# Altium PCB Board.PcbDoc (part 6 of 8) (continued)
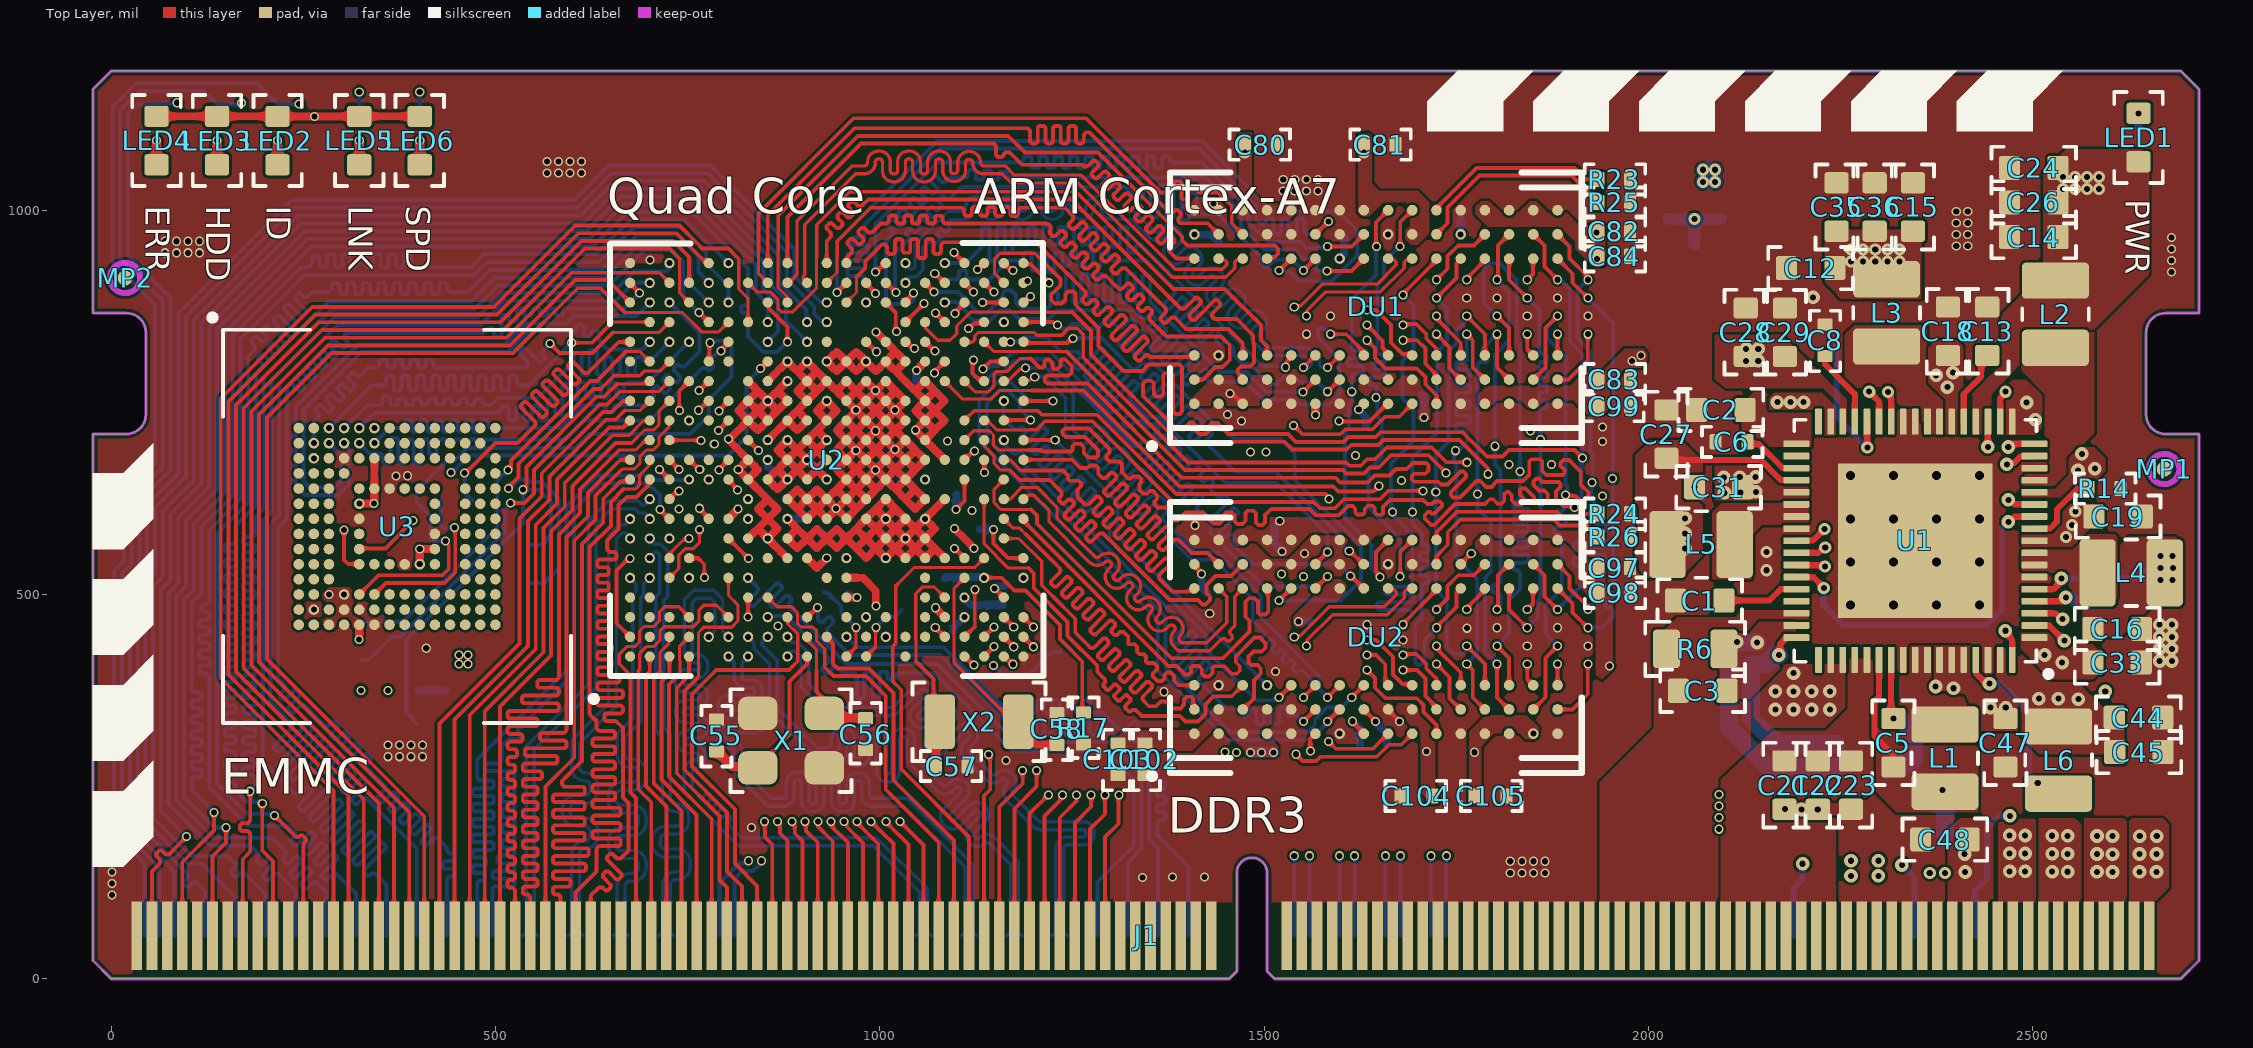
[diagram p0: Top Layer view]
## Nets (pads, with @x,y where several pads share a name; then routed paths per layer and width w, separated by ;. In a path a pad name is that pad's centre, name@x,y a point inside that pad or via, vN(x,y) a via of type N, cw(c..) or ccw(c..) an arc to the next point about the centre after c; other vN are vias at no path point) (continued)
SDQ27: DU2.D7 U2.Y10 | length 594.3
  Top Layer w4: U2.Y10@1161.42,649.61 1148.82,637.01 1148.82,619.37 1157.57,610.62 1196.68,610.62 1196.84,610.45
  Top Layer w5: 1196.84,610.45 1204.72,602.57 1204.72,591.98 1379.63,417.08 1446.73,417.08 1481.3,451.64 1481.3,465.7 1476,471 1476,490.47 1480.61,495.08 1487.79,495.08 1492,490.86 1492,476.5 1494.53,473.97 1502.09,473.97 1505.42,477.3 1505.42,506.39 DU2.D7@1503.94,507.87
SDQ28: DU2.C3 U2.W9 | length 598.9
  Top Layer w4: U2.W9@1135.83,624.02 1135.83,565.82 1167.44,534.21 1193.41,534.21
  Top Layer w5: 1193.41,534.21 1200.41,527.21 1200.41,508.25 1244.41,464.25 1244.41,446.17 1283,407.58 1283,399.72 1284.77,397.95 1291.84,390.88 cw(c1288.3,387.34) 1291.84,383.81 1291.61,383.58 ccw(c1293.38,381.81) 1291.61,380.04 1295.14,376.51 ccw(c1296.91,378.28) 1298.68,376.51 1304.61,382.44 cw(c1306.38,380.67) 1308.14,382.44 1311.68,378.9 cw(c1309.91,377.13) 1311.68,375.37 1305.75,369.44 ccw(c1307.52,367.67) 1305.75,365.9 1309.29,362.37 ccw(c1311.05,364.13) 1312.82,362.37 1318.75,368.3 cw(c1320.52,366.53) 1322.29,368.3 1325.82,364.76 cw(c1324.05,362.99) 1325.82,361.22 1319.89,355.3 ccw(c1321.66,353.53) 1319.89,351.76 1323.43,348.22 ccw(c1325.2,349.99) 1326.96,348.22 1327.19,348.45 cw(c1330.73,344.92) 1334.27,348.45 1339.11,343.61 1340.81,341.91 1340.95,341.91 1390.38,341.91 1397.64,334.65 1414.05,334.65 1423.84,344.43 1423.84,356.91 1434.43,367.5 1458.05,367.5 DU2.C3@1472.44,381.89 DU2.C3@1472.44,380.92
SDQ29: DU2.C2 U2.AA8 | length 596.3
  Top Layer w5: U2.AA8@1187.01,598.42 1187.78,599.2 1187.78,594.78 1375.49,407.08 1385.99,407.08 1397.07,396 1402.07,396 1405,398.93 1405,404.26 1407.82,407.08 1415.32,407.08 1419,403.39 1419,396.93 1422.49,393.43 1428.62,393.43 1432.78,397.59 1432.78,404.56 1434.73,406.52 1448.36,406.52 1457.99,396.89 1464.54,396.89 1468.38,400.73 1468.38,406.62 1463.23,411.77 1463.23,419.44 1487.8,444 1494.67,444 1502.16,436.52 1502.16,430.71 1497.02,425.57 1486.15,425.57 1479.94,419.36 1479.94,411.66 1483.6,408 1491.45,408 1495.82,403.63 1495.82,396.98 1486.83,388 1486.83,364.78 DU2.C2@1472.44,350.39
SDQ30: DU2.A3 U2.Y8 | length 606.2
  Top Layer w4: U2.Y8@1162.19,597.65 1173.61,586.23 1182.19,586.23 1189.71,578.71
  Top Layer w4.99: 1189.71,578.71 1224.76,543.66
  Top Layer w5: U2.Y8@1161.42,598.42 U2.Y8@1162.19,597.65 ; 1224.76,543.66 1226.53,541.89 1233.6,534.82 cw(c1230.07,531.29) 1233.6,527.75 1223.87,518.02 ccw(c1226.35,515.55) 1223.87,513.07 1225.99,510.95 ccw(c1228.47,513.43) 1230.94,510.95 1241.73,521.74 cw(c1244.21,519.27) 1246.68,521.74 1248.81,519.62 cw(c1246.33,517.14) 1248.81,514.67 1238.02,503.88 ccw(c1240.49,501.41) 1238.02,498.93 1240.14,496.81 ccw(c1242.61,499.28) 1245.09,496.81 1255.88,507.6 cw(c1258.35,505.12) 1260.83,507.6 1262.95,505.48 cw(c1260.47,503) 1262.95,500.53 1252.16,489.74 ccw(c1254.63,487.26) 1252.16,484.79 1254.28,482.67 ccw(c1256.75,485.14) 1259.23,482.67 1270.02,493.46 cw(c1272.49,490.98) 1274.97,493.46 1277.09,491.34 cw(c1274.61,488.86) 1277.09,486.39 1265.9,475.2 ccw(c1268.37,472.72) 1265.9,470.25 1268.02,468.12 ccw(c1270.5,470.6) 1272.97,468.12 1284.16,479.31 cw(c1286.64,476.84) 1289.11,479.31 1291.23,477.19 cw(c1288.76,474.72) 1291.23,472.24 1274.9,455.91 ccw(c1277.37,453.44) 1274.9,450.96 1277.02,448.84 ccw(c1279.5,451.31) 1281.97,448.84 1298.3,465.17 cw(c1300.78,462.7) 1303.25,465.17 1305.37,463.05 cw(c1302.9,460.58) 1305.37,458.1 1302.36,455.08 ccw(c1304.83,452.61) 1302.36,450.13 1304.48,448.01 ccw(c1306.95,450.49) 1309.43,448.01 1311.38,449.97 cw(c1314.92,446.43) 1318.46,449.97 1323.29,445.14 1323.29,435.87 1323.89,435.27 1331.53,435.27 1334.89,431.91 1334.89,425.62 1338.21,422.29 1343.18,422.29 1346.26,419.21 1346.26,412.9 1348.36,410.8 1356.83,410.8 1360.55,407.08 1360.55,402.33 1355.25,397.02 1355.25,393.38 1361.3,387.33 1367.06,387.33 1370.53,390.81 1370.53,395.11 1374,398.58 1378.16,398.58 1382.8,393.94 1382.8,387.65 1388.56,381.89 DU2.A3@1409.45,381.89
SDQ31: DU2.A2 U2.Y7 | length 604.9
  Top Layer w4: U2.Y7@1161.42,572.83 1181.08,572.83 1210.79,543.12
  Top Layer w5: 1210.79,543.12 1210.79,512.02 1237.68,485.12 1239.45,483.36 1254.41,468.39 1254.41,450.32 1272.83,431.89 ccw(c1276.37,435.43) 1279.91,431.89 1289.94,441.93 cw(c1292.42,439.45) 1294.89,441.93 1297.01,439.81 cw(c1294.54,437.33) 1297.01,434.86 1284.86,422.7 ccw(c1287.33,420.22) 1284.86,417.75 1286.98,415.63 ccw(c1289.45,418.1) 1291.93,415.63 1304.09,427.79 cw(c1306.56,425.31) 1309.04,427.79 1311.16,425.66 cw(c1308.68,423.19) 1311.16,420.71 1299,408.56 ccw(c1301.47,406.08) 1299,403.61 1301.12,401.48 ccw(c1303.59,403.96) 1306.07,401.48 1318.23,413.64 cw(c1320.7,411.17) 1323.18,413.64 1325.3,411.52 cw(c1322.82,409.05) 1325.3,406.57 1313.14,394.41 ccw(c1315.61,391.94) 1313.14,389.46 1315.26,387.34 ccw(c1317.74,389.82) 1320.21,387.34 1332.37,399.5 cw(c1334.85,397.03) 1337.32,399.5 1339.44,397.38 cw(c1336.97,394.91) 1339.44,392.43 1327.28,380.27 ccw(c1329.76,377.8) 1327.28,375.32 1329.4,373.2 ccw(c1331.88,375.67) 1334.35,373.2 1346.41,385.25 cw(c1348.88,382.78) 1351.35,385.25 1353.48,383.13 cw(c1351,380.66) 1353.48,378.18 1343.55,368.25 ccw(c1347.08,364.71) 1343.55,361.18 1350.11,354.61 1359.45,354.61 1359.55,354.61 1365.63,360.69 1372.16,360.69 1381.03,351.82 1391.21,351.82 1396,356.61 1396,363.43 1399.57,367 1404.84,367 1407.77,364.07 1407.77,352.07 DU2.A2@1409.45,350.39
SDQM0: DU1.E7 U2.M20 | length 1040.2
  Top Layer w5: v1@944.53,893.35 U2.M20@956.69,905.51 U2.M20@957.47,906.29 ; v1(1519.69,921.26) DU1.E7@1535.43,937.01
  Bottom Layer w5: v1(944.53,892.87) 944.53,959.53 1075,1090 1419.14,1090 1510.72,998.42 1596.58,998.42 1621.24,973.76 1621.24,940.86 1587.78,907.4 1546.08,907.4 1533.09,920.39 1520.55,920.39 v1(1519.69,921.26)
SDQM1: DU1.D3 U2.G20 | length 917.2
  Top Layer w4: U2.G20@828.74,905.51 840.93,893.32 858.18,893.32 867.44,884.05 867.44,872.56 872.27,867.73 886.98,867.73 918,898.74 918,939.86
  Top Layer w5: 918,939.86 918,980.99 961.04,1024.03 1255.5,1024.03 1381.89,897.64 1448.82,897.64 1496.06,850.39 1496.06,830.71 1503.94,822.83 DU1.D3@1503.94,811.02
SDQM2: DU2.E7 U2.AA18 | length 886.4
  Top Layer w5: U2.AA18@1187.4,854.72 1187.78,854.33 1225.52,854.33 1229.3,850.55 v1(1231.15,850.55) ; v1(1519.69,492.13) DU2.E7@1535.43,507.87
  Bottom Layer w5: v1(1231.15,850.55) 1232.99,850.55 1238.12,845.42 1243.55,845.42 1250.06,851.93 1259.92,851.93 1265.7,846.15 1283.47,846.15 1293.63,856.3 1301.18,856.3 1307.09,850.39 1308.85,848.63 ccw(c1312.39,852.16) 1315.93,848.63 1324.5,857.2 cw(c1326.97,854.72) 1329.45,857.2 1331.57,855.08 cw(c1329.09,852.6) 1331.57,850.13 1311.29,829.85 ccw(c1313.77,827.37) 1311.29,824.9 1313.41,822.78 ccw(c1315.89,825.25) 1318.36,822.78 1337.11,841.53 cw(c1339.59,839.05) 1342.06,841.53 1344.18,839.41 cw(c1341.71,836.93) 1344.18,834.46 1330.07,820.34 ccw(c1332.54,817.87) 1330.07,815.39 1332.19,813.27 ccw(c1334.66,815.74) 1337.14,813.27 cw(c1340.67,809.73) 1344.21,813.27 1362.12,795.36 1363.89,793.59 1443.42,714.06 1448.87,714.06 1455.46,707.47 1460.76,702.17 1521.24,702.17 1540,683.4 1540,649 1625.98,563.02 1625.98,518.49 1599.61,492.13 v1(1519.69,492.13)
SDQM3: DU2.D3 U2.AA12 | length 474.4
  Top Layer w5: U2.AA12@1187.01,700.79 v1(1228.35,700.79)
  Bottom Layer w5: v1(1228.35,700.79) 1309.21,619.92 1309.21,576.61 v1(1503.94,381.89)
SDQS0_N: DU1.G3 U2.R21 | length 1030.5
  Top Layer w4.29: v1@1581.94,794.53 DU1.G3@1598.43,811.02
  Bottom Layer w4.29: v1(1033.46,931.1) 1033.46,929.7 1039.71,923.45 1043.27,923.45 1045.8,925.99 1045.8,955.8 1088.2,998.2 1099.81,998.2 1107.09,998.2 ccw(c1107.09,1002.84) 1111.74,1002.84 1111.74,1003.42 cw(c1126.66,1003.42) 1141.58,1003.42 1141.58,1002.84 ccw(c1146.22,1002.84) 1150.87,1002.84 1150.87,1003.42 cw(c1165.79,1003.42) 1180.71,1003.42 1180.71,1002.84 ccw(c1185.35,1002.84) 1190,1002.84 1190,1003.42 cw(c1204.92,1003.42) 1219.84,1003.42 1219.84,1002.84 ccw(c1224.48,1002.84) 1229.13,1002.84 1229.13,1003.42 cw(c1244.05,1003.42) 1258.97,1003.42 1258.97,1002.84 ccw(c1263.62,1002.84) 1268.26,1002.84 1268.26,1003.12 cw(c1283.18,1003.12) 1298.1,1003.12 1298.1,1002.84 ccw(c1302.75,1002.84) 1302.75,998.2 1331.29,998.2 1334.66,994.83 1351.95,977.54 1355.6,973.9 1357.1,972.39 ccw(c1360.13,975.43) 1363.17,972.39 1367.63,976.85 cw(c1377.2,967.29) 1384.97,978.36 1385.26,978.36 1390.24,973.38 1390.24,973.09 cw(c1379.17,965.32) 1388.73,955.75 ; 1388.71,955.73 1380.51,947.53 ccw(c1382.81,945.23) 1380.51,942.93 1382.48,940.96 ccw(c1384.78,943.26) 1387.06,940.95 1394.13,948.02 cw(c1403.7,938.45) 1411.47,949.52 1411.76,949.52 1416.74,944.54 1416.74,944.26 cw(c1405.67,936.48) 1415.23,926.92 ; 1415.21,926.89 1408.18,919.86 ccw(c1410.48,917.56) 1408.18,915.26 1410.15,913.29 ccw(c1412.45,915.59) 1414.73,913.28 1422.97,921.51 cw(c1432.53,911.95) 1440.31,923.02 1440.59,923.02 1445.58,918.04 1445.58,917.75 cw(c1434.51,909.98) 1444.07,900.41 ; 1444.05,900.39 1435.85,892.19 ccw(c1438.15,889.89) 1435.85,887.59 1437.82,885.62 ccw(c1440.12,887.92) 1442.4,885.61 1450.64,893.84 cw(c1460.2,884.28) 1467.98,895.35 1468.26,895.35 1473.24,890.37 1473.24,890.08 cw(c1462.18,882.31) 1471.74,872.74 ; 1471.72,872.72 1463.52,864.52 ccw(c1465.82,862.22) 1463.52,859.92 1465.49,857.95 ccw(c1467.79,860.25) 1470.07,857.94 1478.31,866.18 cw(c1487.87,856.61) 1495.65,867.68 1495.93,867.68 1500.91,862.7 1500.91,862.41 cw(c1489.85,854.64) 1499.41,845.07 ; 1499.39,845.05 1494.95,840.61 ccw(c1497.98,837.58) 1494.95,834.54 1506.64,822.86 1508.4,821.09 1512.16,821.09 1557.35,821.09 1572.07,806.38 1572.07,798.57 1574.58,796.05 1581.9,796.05 v1(1582.68,795.28)
SDQS0_P: DU1.F3 U2.R20 | length 1033.8
  Top Layer w4.29: v1(1551.18,795.28) DU1.F3@1566.93,811.02
  Bottom Layer w4.29: v1(1033.46,905.51) 1033.46,906.91 1039.71,913.16 1047.53,913.16 1056.09,921.73 1056.09,951.06 1064.16,959.16 cw(c1067.2,956.13) 1070.23,959.16 1071.25,958.15 ccw(c1072.89,959.79) 1074.53,958.15 1077.82,961.43 ccw(c1076.17,963.08) 1077.82,964.72 1075.19,967.35 cw(c1076.83,968.99) 1075.19,970.63 1078.47,973.92 cw(c1080.11,972.28) 1081.75,973.92 1084.1,971.57 ccw(c1085.75,973.21) 1087.39,971.57 1090.67,974.85 ccw(c1089.03,976.49) 1090.67,978.14 1089.94,978.87 cw(c1092.97,981.91) 1089.94,984.94 1092.92,987.92 1098.39,987.92 1099.81,987.92 1107.09,987.92 ccw(c1107.09,1002.84) 1122.01,1002.84 1122.01,1003.42 cw(c1126.66,1003.42) 1131.3,1003.42 1131.3,1002.84 ccw(c1146.22,1002.84) 1161.14,1002.84 1161.14,1003.42 cw(c1165.79,1003.42) 1170.43,1003.42 1170.43,1002.84 ccw(c1185.35,1002.84) 1200.27,1002.84 1200.27,1003.42 cw(c1204.92,1003.42) 1209.56,1003.42 1209.56,1002.84 ccw(c1224.48,1002.84) 1239.4,1002.84 1239.41,1003.42 cw(c1244.05,1003.42) 1248.7,1003.42 1248.7,1002.84 ccw(c1263.62,1002.84) 1278.54,1002.84 1278.54,1003.12 cw(c1283.18,1003.12) 1287.83,1003.12 1287.83,1002.84 ccw(c1302.75,1002.84) 1302.75,987.92 1327.04,987.92 1334.66,980.3 1344.68,970.28 1348.33,966.63 1349.81,965.15 ccw(c1360.13,975.43) 1370.43,965.13 1374.9,969.59 cw(c1377.2,967.29) 1379.51,969.58 ; 1379.52,969.56 1381.43,967.65 cw(c1379.17,965.32) 1381.48,963.03 1373.24,954.8 ccw(c1382.81,945.23) 1373.24,935.67 1375.21,933.7 ccw(c1384.78,943.26) 1394.34,933.7 ; 1394.37,933.72 1401.4,940.75 cw(c1403.7,938.45) 1406.01,940.74 ; 1406.03,940.72 1407.94,938.81 ; 1407.96,938.79 cw(c1405.67,936.48) 1407.98,934.2 1400.91,927.13 ccw(c1410.48,917.56) 1400.91,908 1402.88,906.03 ccw(c1412.45,915.59) 1422.01,906.03 ; 1422.04,906.05 1430.24,914.25 cw(c1432.53,911.95) 1434.85,914.24 1436.77,912.31 cw(c1434.51,909.98) 1436.82,907.69 1428.58,899.46 ccw(c1438.15,889.89) 1428.58,880.33 1430.55,878.36 ccw(c1440.12,887.92) 1449.68,878.36 ; 1449.71,878.38 1457.91,886.58 cw(c1460.2,884.28) 1462.52,886.57 ; 1462.53,886.55 1464.44,884.64 cw(c1462.18,882.31) 1464.49,880.02 1456.25,871.79 ccw(c1465.82,862.22) 1456.25,852.66 1458.22,850.69 ccw(c1467.79,860.25) 1477.35,850.69 ; 1477.38,850.71 1485.58,858.91 cw(c1487.87,856.61) 1490.19,858.9 1492.11,856.97 ; 1492.13,856.95 cw(c1489.85,854.64) 1492.16,852.35 1487.68,847.88 ccw(c1497.98,837.58) 1487.71,827.25 1499.37,815.59 1503.02,811.95 1504.15,810.81 1553.1,810.81 1561.79,802.12 1561.79,798.57 1559.28,796.05 1551.96,796.05 v1(1551.18,795.28)
SDQS1_N: DU1.B7 U2.J20 | length 901.7
  Top Layer w4.29: U2.J20@879.92,905.51 881.94,905.51 892.26,915.83 892.26,985.53 964.25,1057.52 972.44,1057.52 979.72,1057.52 ccw(c979.72,1061.81) 984.01,1061.81 984.01,1062.51 cw(c998.47,1062.51) 998.47,1076.97 999.4,1076.97 cw(c999.4,1062.51) 1013.86,1062.51 1013.86,1051.18 ccw(c1018.04,1051.18) 1018.04,1046.99 1018.96,1046.99 ccw(c1018.96,1051.18) 1023.15,1051.18 1023.15,1062.51 cw(c1037.6,1062.51) 1037.6,1076.97 1038.53,1076.97 cw(c1038.53,1062.51) 1052.99,1062.51 1052.99,1051.18 ccw(c1057.17,1051.18) 1057.17,1046.99 1058.1,1046.99 ccw(c1058.1,1051.18) 1062.28,1051.18 1062.28,1062.51 cw(c1076.73,1062.51) 1076.73,1076.97 1077.66,1076.97 cw(c1077.66,1062.51) 1092.12,1062.51 1092.12,1051.77 ccw(c1096.3,1051.77) 1096.3,1047.59 1097.23,1047.59 ccw(c1097.23,1051.77) 1101.41,1051.77 1101.41,1061.81 cw(c1115.86,1061.81) 1115.86,1076.27 1116.79,1076.27 cw(c1116.79,1061.81) 1131.25,1061.81 ccw(c1135.54,1061.81) 1135.54,1057.52 1153.62,1057.52 1163.29,1057.52 1175.1,1045.71 1261.99,1045.71 1384.73,922.97 1445.76,922.97 1451.56,928.77 1451.56,932.33 1448.69,935.19 1442.76,935.19 DU1.B7@1440.95,937.01
SDQS1_P: DU1.C7 U2.K20 | length 898.3
  Top Layer w4.29: U2.K20@905.51,905.51 900.55,910.47 900.55,914.01 902.55,916 902.55,981.27 968.52,1047.24 972.44,1047.24 979.72,1047.24 ccw(c979.72,1061.81) 994.29,1061.81 994.29,1062.51 cw(c998.47,1062.51) 998.47,1066.69 999.4,1066.69 cw(c999.4,1062.51) 1003.58,1062.51 1003.58,1051.18 ccw(c1018.04,1051.18) 1018.04,1036.72 1018.96,1036.72 ccw(c1018.96,1051.18) 1033.42,1051.18 1033.42,1062.51 cw(c1037.6,1062.51) 1037.6,1066.69 1038.53,1066.69 cw(c1038.53,1062.51) 1042.71,1062.51 1042.71,1051.18 ccw(c1057.17,1051.18) 1057.17,1036.72 1058.1,1036.72 ccw(c1058.1,1051.18) 1072.55,1051.18 1072.55,1062.51 cw(c1076.73,1062.51) 1076.73,1066.69 1077.66,1066.69 cw(c1077.66,1062.51) 1081.84,1062.51 1081.84,1051.77 ccw(c1096.3,1051.77) 1096.3,1037.32 1097.23,1037.32 ccw(c1097.23,1051.77) 1111.68,1051.77 1111.68,1061.81 cw(c1115.86,1061.81) 1115.86,1065.99 1116.79,1065.99 cw(c1116.79,1061.81) 1120.97,1061.81 ccw(c1135.54,1061.81) 1135.54,1047.24 1153.62,1047.24 1159.03,1047.24 1170.84,1035.43 1257.74,1035.43 1380.47,912.7 1450.01,912.7 1461.83,924.52 1461.83,932.33 1464.7,935.19 1470.63,935.19 DU1.C7@1472.44,937.01
SDQS2_N: DU2.G3 U2.Y15 | length 883.8
  Top Layer w4.29: U2.Y15@1161.42,777.56 1163.16,779.3 1168.3,779.3 1182.12,793.12 1188.16,793.12 v1(1189.6,794.56) ; v1(1582.68,366.14) DU2.G3@1598.43,381.89
  Bottom Layer w4.29: v1(1189.6,794.56) 1217.54,794.56 1251.97,760.13 1251.97,713.82 1253.86,711.94 1257.5,708.29 1259.01,706.79 ccw(c1262.04,709.82) 1265.07,706.79 1273.45,715.16 cw(c1282.36,706.25) 1289.45,716.67 1289.76,716.67 1296.05,710.37 1296.05,710.06 cw(c1285.64,702.97) 1294.55,694.06 ; 1294.53,694.04 1280.54,680.05 ccw(c1282.18,678.41) 1280.54,676.77 1283.82,673.48 ccw(c1285.46,675.13) 1287.1,673.47 1301.12,687.49 cw(c1310.03,678.59) 1317.12,689 1317.43,689 1323.72,682.7 1323.72,682.39 cw(c1313.31,675.3) 1322.22,666.39 1308.21,652.38 ccw(c1309.85,650.74) 1308.21,649.1 1311.49,645.81 ccw(c1313.13,647.46) 1314.77,645.8 1328.79,659.82 cw(c1337.7,650.92) 1344.79,661.33 1345.1,661.33 1351.39,655.03 1351.39,654.72 cw(c1340.98,647.63) 1349.89,638.72 ; 1349.86,638.7 1332.9,621.74 ccw(c1334.54,620.09) 1332.9,618.45 1336.19,615.17 ccw(c1337.83,616.81) 1339.46,615.16 1349.3,625 cw(c1358.21,616.09) 1365.3,626.5 1365.61,626.5 1371.9,620.21 1371.9,619.89 cw(c1361.49,612.8) 1370.4,603.89 1369.18,602.68 ccw(c1372.22,599.64) 1369.18,596.61 1387.33,578.47 1390.97,574.82 1410.79,555.01 1439.26,555.29 1495.75,498.8 1495.75,470.07 1497.65,468.16 1572.07,393.73 1572.07,376.75 v1(1582.68,366.14)
SDQS2_P: DU2.F3 U2.AA15 | length 891.8
  Top Layer w4.29: U2.AA15@1187.01,777.56 1187.92,778.47 1195.38,778.47 1199.67,782.76 v1(1201.7,782.76) ; v1(1551.18,366.14) DU2.F3@1566.93,381.89
  Bottom Layer w4.29: v1(1201.7,782.76) 1202.68,783.73 1213.84,783.73 1241.69,755.88 1241.69,709.57 1246.59,704.67 1250.23,701.03 1251.71,699.55 ccw(c1262.04,709.82) 1272.34,699.52 1280.71,707.9 cw(c1282.36,706.25) 1284.01,707.89 ; 1284.03,707.87 1287.25,704.64 cw(c1285.64,702.97) 1287.29,701.34 1273.27,687.32 ccw(c1282.18,678.41) 1273.27,669.5 1276.56,666.22 ccw(c1285.46,675.13) 1294.37,666.22 ; 1294.4,666.24 1308.38,680.23 cw(c1310.03,678.59) 1311.68,680.22 ; 1311.7,680.2 1314.92,676.97 ; 1314.94,676.95 cw(c1313.31,675.3) 1314.96,673.67 1300.94,659.65 ccw(c1309.85,650.74) 1300.94,641.83 1304.23,638.55 ccw(c1313.13,647.46) 1322.04,638.55 ; 1322.07,638.57 1336.05,652.56 cw(c1337.7,650.92) 1339.35,652.55 1342.59,649.3 cw(c1340.98,647.63) 1342.63,646 1325.64,629 ccw(c1334.54,620.09) 1325.64,611.19 1328.92,607.9 ccw(c1337.83,616.81) 1346.74,607.9 ; 1346.76,607.93 1356.56,617.73 cw(c1358.21,616.09) 1359.86,617.72 ; 1359.88,617.7 1363.1,614.48 ; 1363.12,614.46 cw(c1361.49,612.8) 1363.13,611.16 1361.92,609.94 ccw(c1372.22,599.64) 1361.92,589.34 1380.06,571.2 1383.71,567.56 1406.26,545 1435,545 1485.46,494.54 1485.46,465.8 1487.36,463.9 1489.84,461.4 ; 1489.85,461.41 1491.16,460.1 1499.24,452.02 cw(c1496.21,448.98) 1499.24,445.95 1497.19,443.9 ccw(c1498.84,442.26) 1497.19,440.62 1500.48,437.33 ccw(c1502.12,438.97) 1503.76,437.33 1507.19,440.76 cw(c1508.84,439.12) 1510.48,440.76 1513.76,437.48 cw(c1512.12,435.84) 1513.76,434.19 1510.33,430.76 ccw(c1511.97,429.12) 1510.33,427.48 1513.62,424.19 ccw(c1515.26,425.84) 1516.9,424.19 1520.33,427.62 cw(c1521.97,425.98) 1523.62,427.62 1526.9,424.34 cw(c1525.26,422.7) 1526.9,421.06 1523.47,417.62 ccw(c1525.11,415.98) 1523.47,414.34 1526.75,411.05 ccw(c1528.4,412.7) 1530.04,411.05 1533.47,414.49 cw(c1535.11,412.84) 1536.75,414.49 1540.04,411.2 cw(c1538.4,409.56) 1540.04,407.92 1537.41,405.29 ccw(c1539.06,403.65) 1537.41,402.01 1540.7,398.72 ccw(c1542.34,400.37) 1543.98,398.72 1545.23,399.97 cw(c1548.26,396.93) 1551.29,399.97 1555.92,395.34 1561.79,389.47 1561.79,376.75 v1(1551.18,366.14)
SDQS3_N: DU2.B7 U2.Y9 | length 550.1
  Top Layer w4.29: U2.Y9@1161.42,624.02 1169.55,624.02 1184.81,639.27 1204.87,639.27 1230.65,613.5 1230.65,598.87 1274.99,554.52 1280.15,549.37 ccw(c1283.18,552.4) 1286.22,549.37 1286.45,549.6 cw(c1296.64,539.33) 1306.88,549.56 1307.53,548.9 cw(c1297.3,538.67) 1309.04,530.21 1309.04,529.95 1304.96,525.86 ccw(c1307.91,522.9) 1304.95,519.95 1305.62,519.28 ccw(c1308.57,522.25) 1311.52,519.29 ; 1311.55,519.32 1314.15,521.91 cw(c1324.34,511.64) 1334.57,521.87 1335.23,521.21 cw(c1324.99,510.98) 1336.73,502.52 1336.73,502.25 1332.65,498.17 ccw(c1335.6,495.21) 1332.64,492.26 1333.31,491.59 ccw(c1336.26,494.55) 1339.22,491.6 ; 1339.24,491.62 1339.79,492.17 cw(c1349.98,481.89) 1360.21,492.13 1360.87,491.47 cw(c1350.64,481.24) 1360.87,471 1360.34,470.48 ccw(c1363.3,467.52) 1360.33,464.57 1361,463.9 ccw(c1363.95,466.86) 1366.91,463.91 ; 1366.93,463.93 1369.33,466.33 cw(c1379.53,456.06) 1389.76,466.29 1390.42,465.63 cw(c1380.18,455.4) 1390.42,445.17 ccw(c1393.45,442.13) 1390.41,439.1 1392.5,437.02 1403.72,437.02 ; 1403.72,437.02 1421.31,437.02 1425.2,437.02 1451.56,463.38 1451.56,497.26 DU2.B7@1440.95,507.87
SDQS3_P: DU2.C7 U2.AA9 | length 549.8
  Top Layer w4.29: U2.AA9@1187.01,624.02 1187.01,624.1 1191.9,629 1200.62,629 1220.36,609.26 1220.36,594.6 1267.72,547.24 1272.87,542.09 ccw(c1283.18,552.4) 1293.49,542.09 1293.69,542.28 cw(c1296.64,539.33) 1299.6,542.28 1300.26,541.63 cw(c1297.3,538.67) 1300.26,535.72 ; 1300.23,535.69 1297.68,533.14 ccw(c1307.91,522.9) 1297.7,512.65 1298.3,512.04 ccw(c1308.57,522.25) 1317.03,510.51 1317.29,510.51 1321.38,514.59 cw(c1324.34,511.64) 1327.29,514.59 1327.95,513.94 cw(c1324.99,510.98) 1327.95,508.02 ; 1327.92,508 1325.37,505.44 ccw(c1335.6,495.21) 1325.39,484.95 1326,484.35 ccw(c1336.26,494.55) 1344.72,482.81 1344.99,482.81 1347.02,484.85 cw(c1349.98,481.89) 1352.93,484.85 1353.59,484.19 cw(c1350.64,481.24) 1353.59,478.28 1353.06,477.75 ccw(c1363.3,467.52) 1353.09,457.26 ; 1353.09,457.25 1353.69,456.66 ; 1353.7,456.65 ccw(c1363.95,466.86) 1372.41,455.12 1372.68,455.12 1376.57,459.01 cw(c1379.53,456.06) 1382.48,459.01 1383.14,458.36 cw(c1380.18,455.4) 1383.14,452.44 ccw(c1393.45,442.13) 1383.17,431.79 1388.24,426.73 1403.72,426.73 ; 1403.72,426.72 1411.02,426.72 1429.43,426.72 1436.07,433.36 1444.16,441.45 cw(c1447.19,438.41) 1450.22,441.45 1451.54,440.13 ccw(c1453.84,442.43) 1456.14,440.13 1458.11,442.1 ccw(c1455.81,444.4) 1458.11,446.7 1456.79,448.02 cw(c1459.83,451.05) 1456.79,454.08 1461.83,459.12 1461.83,497.26 DU2.C7@1472.44,507.87
SIM_DATA: J1.85 U2.F13 | length 1204.3
  Top Layer w5: v1(790.37,713.31) 790.37,713.45 803.15,726.23 U2.F13@803.15,726.38 ; v1@850.29,205.33 850.55,205.07 850.55,184.14 860.24,174.46 J1.85@860.24,55.98
  Int2 (Sign) w5: v1(790.37,713.31) 790.46,713.31 806.56,729.41 806.56,756.55 774.33,788.78 727.39,788.78 697.21,758.6 676.96,758.6 660.09,741.73 636.32,741.73 560.87,666.28 560.87,619.61 545.67,604.41 545.67,450.7 572.91,423.46 572.91,347.36 709.25,211.02 844.6,211.02 v1@850.29,205.33
  other v1: 850.29,204.45
SIM_PWREN: J1.91 U2.E14 | length 1082
  Top Layer w5: v1(764.18,739.64) 764.7,739.64 777.03,751.97 U2.E14@777.56,751.97 ; v1@902.82,206.37 904.12,205.06 904.12,192.47 919.29,177.3 J1.91@919.29,55.98
  Int2 (Sign) w5: v1(764.18,739.64) 764.18,739.77 750.37,753.57 734.61,753.57 709.64,728.6 689.39,728.6 672.52,711.73 648.75,711.73 590.87,653.85 590.87,607.18 575.67,591.99 575.67,463.13 602.91,435.89 602.91,359.79 721.68,241.02 883.28,241.02 902.82,221.49 v1(902.82,204.45)
SIM_RST: J1.95 U2.D13 | length 1026.4
  Top Layer w5: v1@936.8,207.28 v1(936.8,204.45) 936.8,198.97 958.66,177.1 J1.95@958.66,55.98
  Int2 (Sign) w5: v1(751.97,726.38) 745.33,726.38 727.56,708.6 697.67,708.6 680.8,691.73 657.03,691.73 610.87,645.57 610.87,598.9 595.67,583.7 595.67,471.42 622.91,444.17 622.91,368.07 729.96,261.02 905.42,261.02 936.8,229.65 v1(936.8,204.45)
SODT0: DU1.K1 DU2.K1 U2.W11 | length 1379.3
  Top Layer w5: U2.W11@1135.83,675.2 1136.04,674.99 1136.04,658.65 v1(1136.24,658.44) ; v1(1538.57,720.05) 1550.2,708.42 1599.23,708.42 1605.76,714.94 1641.18,714.94 1657.37,731.13 1676.01,731.13 DU1.K1@1692.91,748.03 ; v1(1541.4,292.08) 1550.3,283.17 1568.02,283.17 1573.61,288.76 1646.7,288.76 1662.44,304.51 1678.52,304.51 DU2.K1@1692.91,318.9
  Int2 (Sign) w5: v1(1538.57,720.05) 1538.57,718.21 1546.99,709.78 1546.99,695 1546.99,684.15 ccw(c1551.99,684.15) 1551.99,679.15 1554.43,679.15 cw(c1554.43,676.65) 1556.93,676.65 1556.93,671.65 cw(c1554.43,671.65) 1554.43,669.15 1540.24,669.15 ccw(c1540.24,666.65) 1537.74,666.65 1537.74,661.65 ccw(c1540.24,661.65) 1540.24,659.15 1554.43,659.15 cw(c1554.43,656.65) 1556.93,656.65 1556.93,651.65 cw(c1554.43,651.65) 1554.43,649.15 1540.24,649.15 ccw(c1540.24,646.65) 1537.74,646.65 1537.74,641.65 ccw(c1540.24,641.65) 1540.24,639.15 1541.99,639.15 cw(c1541.99,634.15) 1546.99,634.15 1546.99,631.65 1546.99,601.99 1510,565 1510,538.93 v1(1522.5,526.43) 1522.5,512.94 1568.52,466.91 1568.52,402.44 1535.43,369.35 1535.43,331.44 1541.4,325.47 v1(1541.4,292.08)
  Int3 (Sign) w5: v1(1136.24,658.44) 1148.97,645.71 1252.29,645.71 1401.5,496.5 1470.48,496.5 1500.41,526.43 v1(1522.5,526.43)
SODT1: DU1.J1 DU2.J1 U2.V11 | length 1237.2
  Top Layer w5: U2.V11@1110.24,675.2 1111.53,676.49 1111.59,676.49 1121.74,686.64 v1(1123.24,686.64) ; v1(1583.7,308.9) 1593.39,299.21 1641.73,299.21 DU2.J1@1661.42,318.9 ; v1(1597.34,725.88) 1598.28,724.94 1637.04,724.94 DU1.J1@1660.77,748.67
  Int2 (Sign) w5: v1(1583.7,308.9) 1577.33,308.9 1569.27,316.96 1569.27,384.23 1582.68,397.64 1582.68,472.44 1551.18,503.94 v1(1551.18,523.62) 1566.93,539.37 1566.93,561.56 1566.93,564.06 ccw(c1561.93,564.06) 1561.93,569.06 1558.76,569.06 cw(c1558.76,571.56) 1556.26,571.56 1556.26,576.56 cw(c1558.76,576.56) 1558.76,579.06 1571.96,579.06 ccw(c1571.96,581.56) 1574.46,581.56 1574.46,586.56 ccw(c1571.96,586.56) 1571.96,589.06 1559.05,589.06 cw(c1559.05,591.56) 1556.55,591.56 1556.55,596.56 cw(c1559.05,596.56) 1559.05,599.06 1561.93,599.06 ccw(c1561.93,604.06) 1566.93,604.06 1566.93,618.61 1566.93,697.84 1594.97,725.88 v1(1597.34,725.88)
  Int3 (Sign) w5: v1(1123.24,686.64) 1123.24,654.61 1141.85,636 1248,636 1396,488 1474,488 1496.22,510.22 1537.78,510.22 v1(1551.18,523.62)
SPI1_CLK: J1.80 U2.G12 | length 1363.3
  Top Layer w5: U2.G12@828.74,700.79 828.82,700.79 842.14,687.46 v1(842.22,687.46)
  Int2 (Sign) w5: v1(842.22,687.46) 826.56,703.12 826.56,764.84 782.61,808.78 718.95,808.78 688.77,778.6 668.68,778.6 651.81,761.73 628.04,761.73 549.46,683.16 517.8,683.16 503.1,668.46 503.1,575.64 523.62,555.12 523.62,442.68 552.91,413.39 552.91,339.08 701.2,190.79 798.39,190.79 814.96,174.22 814.96,149.1 823.92,140.14 835.03,140.14 842.88,147.99 842.88,148.12 846.46,151.7 v1(846.46,153.54)
  Bottom Layer w5.1: J1.80@811.02,55.98 811.02,129.92 821.19,140.09 835.05,140.09 842.93,147.97
SPI1_CS: J1.89 U2.E15 | length 1085.6
  Top Layer w5: v1(764.63,765.37) 765,765.37 777.19,777.56 U2.E15@777.56,777.56 ; v1@885.89,204.79 889.41,201.27 889.41,189.33 899.61,179.13 J1.89@899.61,55.98
  Int2 (Sign) w5: v1(764.63,765.37) 732.27,765.37 705.5,738.6 685.24,738.6 668.38,721.73 644.61,721.73 580.87,657.99 580.87,611.33 565.67,596.13 565.67,458.99 592.91,431.74 592.91,355.65 717.54,231.02 875.24,231.02 885.89,220.37 v1(885.89,204.45)
SPI1_MISO: J1.93 U2.D15 | length 1068.8
  Top Layer w5: v1(739.32,739.32) 739.14,739.51 739.14,764.73 U2.D15@751.97,777.56 ; v1@919.63,205.88 v1(919.63,204.45) 919.63,198.27 938.98,178.92 J1.93@938.98,55.98
  Int2 (Sign) w5: v1(739.32,739.32) 718.6,718.6 693.53,718.6 676.66,701.73 652.89,701.73 600.87,649.71 600.87,603.04 585.67,587.84 585.67,467.27 612.91,440.03 612.91,363.93 725.82,251.02 896.41,251.02 919.63,227.81 919.63,205.88 v1(919.63,204.45) ; v1@918.32,207.18 v1@919.62,205.88
SPI1_MOSI: J1.87 U2.F14 | length 1152.1
  Top Layer w5: v1(790.99,738.86) 790.99,739.33 803.15,751.49 U2.F14@803.15,751.97 ; v1(867.28,204.45) 870.24,201.49 870.24,189.23 879.92,179.55 J1.87@879.92,55.98
  Int2 (Sign) w5: v1(790.99,738.86) 792.26,738.86 796.38,742.98 796.38,752.58 770.19,778.78 731.53,778.78 701.36,748.6 681.1,748.6 664.23,731.73 640.46,731.73 570.87,662.13 570.87,615.47 555.67,600.27 555.67,454.85 582.91,427.6 582.91,351.51 713.39,221.02 859.86,221.02 865.97,214.92 865.97,205.75 v1(867.28,204.45)